# Altium PCB Holberton.PcbDoc (part 5 of 6)
Units mil, origin at the board's own origin, x right, y up, seen from the top; angles counter-clockwise.
Board outline 2963.39 x 3031.46 mil, 6 copper layers (Top Layer, GND, SL1, SL2, PWR, Bottom Layer), stack 30.516 mil thick; 455 components, 409 nets, 1505 pads, 1106 vias.
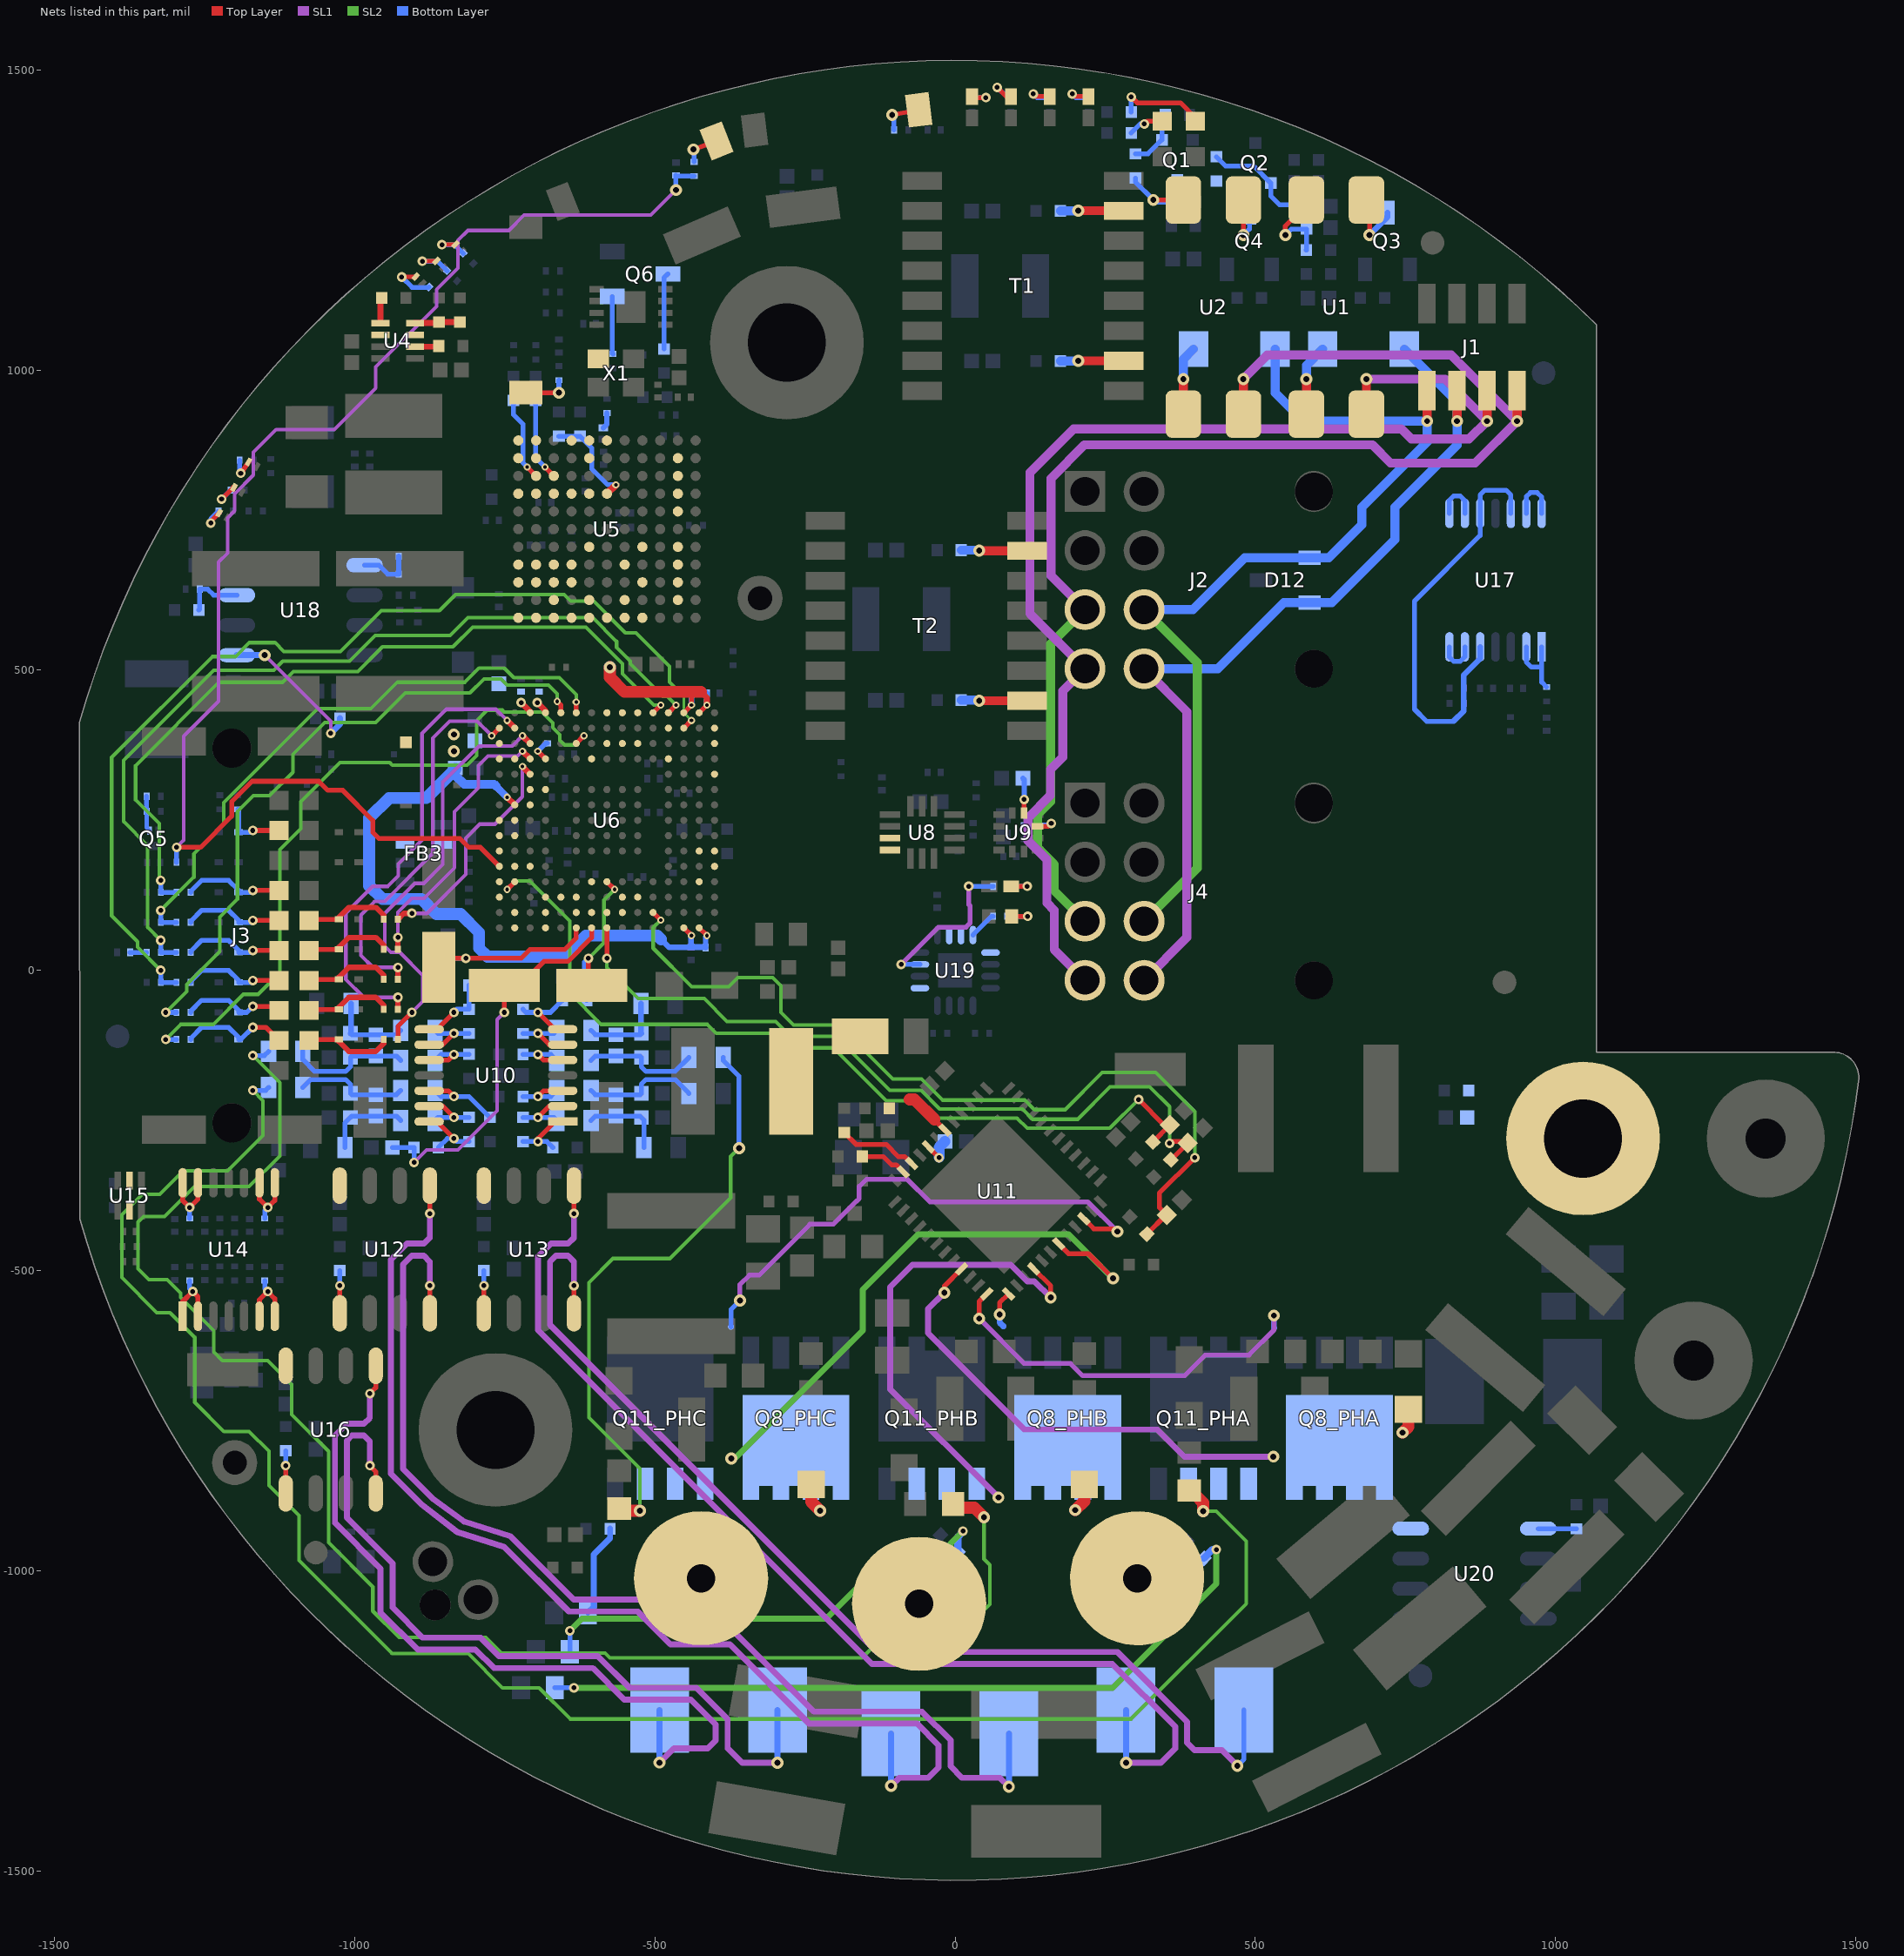
[diagram p9: the nets of this part, all layers, seen from the top]

## Via types
v1: diameter 16, hole 8, Top Layer to Bottom Layer, tented both sides, 470 vias
v2: diameter 20, hole 10, Top Layer to Bottom Layer, tented both sides, 272 vias
v3: diameter 12, hole 6, Top Layer to Bottom Layer, tented both sides, 199 vias
v4: diameter 28, hole 15, Top Layer to Bottom Layer, tented both sides, 159 vias
v5: diameter 24, hole 12, Top Layer to Bottom Layer, tented both sides, 6 vias

## Nets (pads, with @x,y where several pads share a name; then routed paths per layer and width w, separated by ;. In a path a pad name is that pad's centre, name@x,y a point inside that pad or via, vN(x,y) a via of type N, cw(c..) or ccw(c..) an arc to the next point about the centre after c; other vN are vias at no path point) (continued)
NetC103_1: C103.1 U9.5 | length 58.7
  Top Layer w8: U9.5@114.85,262.14 v1(114.84,284.7)
  Bottom Layer w9: C103.1@112.71,320 114.84,317.87 v1(114.84,284.7)
NetC131_1: C131.1 R109.1 | length 27.6
  Bottom Layer w8: C131.1@-1374.37,30 R109.1@-1346.81,30
NetC134_1: C134.1 C136.2 R114.2 R120.1 | length 138.1
  Bottom Layer w8: R120.1@-606.46,-100 -599.18,-107.28 C136.2@-565,-107.28 -524.99,-107.28 C134.1@-522.71,-105
  Bottom Layer w9.24: R114.2@-523.55,-55 -523.55,-104.16 C134.1@-522.71,-105
NetC135_1: C135.1 C137.2 R115.2 R121.1 | length 138.1
  Bottom Layer w8: C135.1@-1007.29,-105 -1005.01,-107.28 C137.2@-965,-107.28 -930.82,-107.28 R121.1@-923.54,-100
  Bottom Layer w9.24: C135.1@-1007.29,-105 -1006.45,-104.16 R115.2@-1006.45,-55
NetC136_1: C136.1 C138.2 R126.2 R129.1 | length 195.3
  Bottom Layer w8: R129.1@-606.46,-150 -599.17,-142.71 C136.1@-565,-142.71 -525.01,-142.71 C138.2@-522.72,-145 -522.72,-160.4 -514.72,-168.4 -466.95,-168.4 R126.2@-443.55,-145
NetC137_1: C137.1 C139.2 R125.2 R130.1 | length 207.4
  Bottom Layer w8: R125.2@-1086.45,-135 -1086.45,-148.55 -1066.6,-168.4 -1015.28,-168.4 -1007.28,-160.4 C139.2@-1007.28,-145 -1004.99,-142.71 C137.1@-965,-142.71 -930.83,-142.71 R130.1@-923.54,-150
NetC141_2: C141.2 C143.1 R132.1 R134.2 | length 194.9
  Bottom Layer w8: R132.1@-606.46,-200 -599.17,-207.29 C143.1@-565,-207.29 -525.01,-207.29 C141.2@-522.72,-205 -522.72,-189.9 -514.72,-181.9 -466.65,-181.9 R134.2@-443.55,-205
NetC142_2: C142.2 C144.1 R131.2 R133.1 | length 190.7
  Bottom Layer w8: R131.2@-1086.45,-195 -1073.35,-181.9 -1015.28,-181.9 -1007.28,-189.9 C142.2@-1007.28,-205 -1004.99,-207.29 C144.1@-965,-207.29 -930.83,-207.29 R133.1@-923.54,-200
NetC143_2: C143.2 C147.1 R137.1 R142.2 | length 139.4
  Bottom Layer w8: R137.1@-606.46,-250 -599.18,-242.72 C143.2@-565,-242.72 -524.99,-242.72 C147.1@-522.71,-245 -518.55,-249.16 R142.2@-518.55,-295
NetC144_2: C144.2 C148.1 R138.1 R143.2 | length 141.5
  Bottom Layer w8: R143.2@-1016.45,-295 -1016.45,-254.16 C148.1@-1007.29,-245 -1005.01,-242.72 C144.2@-965,-242.72 -930.82,-242.72 R138.1@-923.54,-250
NetC146_1: C146.1 M3.1 R135.2
NetD1_2: D1.2 R36.1 | length 59.9
  Top Layer w8: v1(315,1410) 319.53,1414.53 D1.2@345,1414.53
  Bottom Layer w8: R36.1@293.17,1395 308.17,1410 v1(315,1410)
NetD2_2: D2.2 R33.1 | length 151.8
  Top Layer w8: v1(293.17,1455) 303.17,1445 375,1445 400,1420 D2.2@400,1414.53
  Bottom Layer w8: R33.1@293.17,1430 v1(293.17,1455)
NetD5_K: D5.K J3.12 R6.1 | length 147.7
  Top Layer w8: J3.12@-1076.11,83.08 -1074.19,85 D5.K@-1026.53,85
  Top Layer w8.84: D5.K@-1026.53,85 -1026.53,88.47 -1010,105 -965,105 -951.81,91.81 R6.1@-951.81,85
NetD6_K: D6.K J3.10 R7.1 | length 147.7
  Top Layer w8: J3.10@-1076.11,33.08 -1074.19,35 D6.K@-1026.53,35
  Top Layer w8.84: D6.K@-1026.53,35 -1026.53,38.47 -1010,55 -965,55 -951.81,41.81 R7.1@-951.81,35
NetD7_K: D7.K J3.8 R9.1 | length 147.7
  Top Layer w8: J3.8@-1076.11,-16.92 -1074.19,-15 D7.K@-1026.53,-15
  Top Layer w8.84: D7.K@-1026.53,-15 -1026.53,-11.53 -1010,5 -965,5 -951.81,-8.19 R9.1@-951.81,-15
NetD8_K: D8.K J3.6 R10.1 | length 147.7
  Top Layer w8: J3.6@-1076.11,-66.92 -1074.19,-65 D8.K@-1026.53,-65
  Top Layer w8.84: D8.K@-1026.53,-65 -1026.53,-61.53 -1010,-45 -965,-45 -951.81,-58.19 R10.1@-951.81,-65
NetD10_K: D10.K J3.4 R11.1 | length 147.7
  Top Layer w8: J3.4@-1076.11,-116.92 -1074.19,-115 D10.K@-1026.53,-115
  Top Layer w8.84: D10.K@-1026.53,-115 -1026.53,-118.47 -1010,-135 -965,-135 -951.81,-121.81 R11.1@-951.81,-115
NetD16_K: D16.K J3.17 R93.2 | length 107.5
  Top Layer w8: v1(-1170,233.08) J3.17@-1126.11,233.08
  Bottom Layer w8: R93.2@-1195,268.19 -1193.47,266.66 D16.K@-1193.47,230 -1173.08,230 v1(-1170,233.08)
NetD18_K: D18.K J3.13 R102.2 | length 168
  Top Layer w8: v1(-1170,133.08) J3.13@-1126.11,133.08
  Bottom Layer w8: R102.2@-1273.19,130 -1273.19,131.81 -1255,150 -1210,150 -1193.47,133.47 D18.K@-1193.47,130 -1173.08,130 v1(-1170,133.08)
NetD19_K: D19.K J3.11 R105.2 | length 168
  Top Layer w8: v1(-1170,83.08) J3.11@-1126.11,83.08
  Bottom Layer w8: R105.2@-1273.19,80 -1273.19,81.81 -1255,100 -1210,100 -1193.47,83.47 D19.K@-1193.47,80 -1173.08,80 v1(-1170,83.08)
NetD20_K: D20.K J3.9 R108.2 | length 168
  Top Layer w8: v1(-1170,33.08) J3.9@-1126.11,33.08
  Bottom Layer w8: R108.2@-1273.19,30 -1273.19,31.81 -1255,50 -1210,50 -1193.47,33.47 D20.K@-1193.47,30 -1173.08,30 v1(-1170,33.08)
NetD21_K: D21.K J3.7 R110.2 | length 168
  Top Layer w8: v1(-1170,-16.92) J3.7@-1126.11,-16.92
  Bottom Layer w8: R110.2@-1273.19,-20 -1273.19,-18.19 -1255,0 -1210,0 -1193.47,-16.53 D21.K@-1193.47,-20 -1173.08,-20 v1(-1170,-16.92)
NetD22_K: D22.K J3.5 R119.2 | length 173.8
  Top Layer w8: v1(-1170,-60) -1133.03,-60 J3.5@-1126.11,-66.92
  Bottom Layer w8: R119.2@-1273.19,-70 -1273.19,-68.19 -1255,-50 -1210,-50 -1193.47,-66.53 D22.K@-1193.47,-70 -1180,-70 v1(-1170,-60)
NetD23_K: D23.K J3.3 R124.2 | length 184.1
  Top Layer w8: v1(-1170,-95) -1148.03,-95 J3.3@-1126.11,-116.92
  Bottom Layer w8: R124.2@-1273.19,-115 -1273.19,-113.19 -1255,-95 -1210,-95 -1193.47,-111.53 D23.K@-1193.47,-115 -1190,-115 v1(-1170,-95)
NetFB2_1: FB2.1 R65.2 | length 26.7
  Bottom Layer w8.84: FB2.1@-585.91,903.92 -580,909.82 R65.2@-580,928.19
NetFB3_2: FB3.2
NetFB3_6: FB3.6
NetFB6_1: FB6.1 RT1.1 | length 155.3
  Bottom Layer w10: FB6.1@-611.85,-1070 -602,-1060.15 -602,-973 -574.83,-945.83 RT1.1@-574.83,-930
NetFB7_1: FB7.1 RT3.1 | length 799.3
  SL2 w10: v1(-641.85,-1100) -621.85,-1080 -215,-1080 -115,-980 -30,-980 -7.3,-957.3 -7.3,-954.3 v1(13,-934)
  Bottom Layer w8: FB7.1@-641.85,-1135 v1(-641.85,-1100)
  Bottom Layer w12: RT3.1@4.27,-969.27 4.61,-968.92 4.61,-943.47 13,-935.08 v1(13,-934)
NetFB8_1: FB8.1 RT2.1 | length 1257.2
  SL2 w10: v1(-635,-1195) 262,-1195 435,-1022 v1(435,-965)
  Bottom Layer w8: FB8.1@-666.85,-1195 v1(-635,-1195)
  Bottom Layer w12: RT2.1@414.27,-979.27 428.52,-965 v1(435,-965)
NetLED1_K: LED1.K R32.2 | length 46.8
  Top Layer w8: LED1.K@28.03,1455.72 29.94,1453.81 v1(51,1453.81)
  Bottom Layer w8: R32.2@28,1453.81 v1(51,1453.81)
NetLED2_K: LED2.K R31.2 | length 58.8
  Top Layer w8: v1(70,1471) 85.28,1455.72 LED2.K@92.71,1455.72
  Bottom Layer w8: v1(70,1471) 87.19,1453.81 R31.2@92.68,1453.81
NetLED3_K: LED3.K R30.2 | length 59.1
  Top Layer w8: v1(130,1460) 134.28,1455.72 LED3.K@157.39,1455.72
  Bottom Layer w8: v1(130,1460) 136.19,1453.81 R30.2@157.36,1453.81
NetLED4_K: LED4.K R29.2 | length 58.4
  Top Layer w8: v1(195,1460) 199.28,1455.72 LED4.K@222.07,1455.72
  Bottom Layer w8: v1(195,1460) 201.19,1453.81 R29.2@222.04,1453.81
NetLED5_K: LED5.K R48.1 | length 64.3
  Top Layer w8: v1@-854.98,1208.72 LED5.K@-832.27,1209.27
  Bottom Layer w8: v1(-855,1208.7) -833.7,1208.7 R48.1@-819.35,1194.35
NetLED6_K: LED6.K R49.1 | length 71.1
  Top Layer w8: v1(-887.35,1181.35) LED6.K@-863.91,1181.91
  Bottom Layer w8: v1(-887.35,1181.35) -862.35,1181.35 R49.1@-846.35,1165.35
NetLED7_K: LED7.K R52.1 | length 76.5
  Top Layer w8: v1(-921.92,1154.92) LED7.K@-898.49,1155.49
  Bottom Layer w8: v1(-921.92,1154.92) -904.65,1137.65 -877.05,1137.65 R52.1@-876.35,1138.35
NetLED8_K: LED8.K R68.2 | length 45.8
  Top Layer w8: v1(-1190,828) LED8.K@-1176.82,846.93
  Bottom Layer w8: R68.2@-1191.81,850 -1191.81,829.81 v1(-1190,828)
NetLED9_K: LED9.K R70.1 | length 49.9
  Top Layer w8: v1(-1221.91,784.9) -1202.43,804.38 LED9.K@-1201.38,804.38
  Bottom Layer w8: v1(-1221.91,784.9) R70.1@-1206.81,800
NetLED10_K: LED10.K R72.1 | length 48.1
  Top Layer w8: v1(-1240,745) -1240,747.78 LED10.K@-1225.95,761.83
  Bottom Layer w8: v1(-1240,745) -1240,751.81 R72.1@-1226.81,765
NetLED11_A: LED11.A R101.2 | length 60
  Top Layer w8: LED11.A@93.21,140 v1(120,140)
  Bottom Layer w8: R101.2@86.81,140 v1(120,140)
NetLED12_A: LED12.A R104.2 | length 60.8
  Top Layer w8: LED12.A@94,90 v1(120.79,90)
  Bottom Layer w8: R104.2@86.81,90 v1(120.79,90)
NetQ1_D: Q1.D Q2.S R38.2
NetQ1_G: Q1.G R34.1 R37.2 | length 97.8
  Bottom Layer w8: R37.2@300,1360.18 321.13,1360.18 Q1.G@344.41,1383.46 344.41,1419.58 R34.1@349.83,1425
NetQ2_G: Q2.G R38.1 R44.2 | length 195.8
  Bottom Layer w8: R38.1@435,1355.17 450.17,1340 497.13,1340 Q2.G@525.59,1311.54 525.59,1290 540.41,1275.18 R44.2@585,1275.18
NetQ3_3: Q3.3 U1.3 | length 110.1
  Top Layer w8: U1.3@684.99,1283.35 690,1278.34 v2(690,1225)
  Bottom Layer w10: v2(690,1225) 720,1255 Q3.3@720,1262.25
NetQ4_3: Q4.3 U2.3 | length 99.7
  Top Layer w8: v2(479.99,1225) U2.3@479.99,1283.35
  Bottom Layer w8: v2(479.99,1225) 490,1235.01 Q4.3@490,1262.25
NetQ5_1: Q5.1 R94.2 R95.2 | length 59.2
  Bottom Layer w7: R95.2@-1346.81,265 -1346.81,237.71 Q5.1@-1341.89,232.79
  Bottom Layer w8: R95.2@-1346.81,265 R94.2@-1346.81,290
NetQ6_1: Q6.1 R27.1 | length 96.3
  Bottom Layer w8: Q6.1@-571.26,1122.6 -571.26,1028.07 R27.1@-570,1026.81
NetQ6_3: Q6.3 R25.2 | length 127.4
  Bottom Layer w8: R25.2@-485,1035.18 -485,1153.74 Q6.3@-478.74,1160
NetR1_2: R1.2 U4.1 | length 42.5
  Top Layer w10: U4.1@-957.28,1078.37 -957.28,1117.89 R1.2@-955.18,1119.99
NetR2_2: R2.2 R3.1 U4.8 | length 75.3
  Top Layer w10: U4.8@-899.72,1078.37 -861.45,1078.38 R2.2@-860,1079.82 R3.1@-825.01,1079.82
NetR4_1: R4.1 U4.6 | length 40
  Top Layer w10: U4.6@-899.72,1039 -861.18,1038.99 R4.1@-860.18,1040
NetR35_2: R35.2 SW1.1 | length 71.4
  Top Layer w8: v2(-105,1425) SW1.1@-60.72,1433.45
  Bottom Layer w8: v2(-105,1425) -101.81,1421.81 R35.2@-101.81,1400
NetR37_1: R37.1 R43.2 U2.4 | length 130.1
  Top Layer w8: v2(330,1283.35) U2.4@380,1283.35
  Bottom Layer w8: R37.1@300,1319.83 300,1313.35 v2(330,1283.35) 333.34,1280 R43.2@359.82,1280
NetR40_2: R40.2 SW2.1 | length 62.1
  Top Layer w8: v2(-435.8,1367.44) SW2.1@-397.23,1381.68
  Bottom Layer w8: v2(-435.8,1367.44) -435,1366.64 R40.2@-435,1346.81
NetR44_1: R44.1 R47.2 U1.4 | length 147.1
  Top Layer w8: v2(550,1224.83) 550,1240 584.99,1274.99 U1.4@585,1283.35
  Bottom Layer w8: v2(550,1224.83) 560,1234.83 R44.1@585,1234.83 585,1200.18 R47.2@584.82,1200
NetR45_2: R45.2 T1.15 | length 105.7
  Top Layer w15: v2(205,1265.4) T1.15@280.7,1265.4
  Bottom Layer w15: R45.2@175.18,1264.99 204.59,1264.99 v2(205,1265.4)
NetR57_2: R57.2 U1.1 | length 119.6
  Top Layer w15: U1.1@585,926.66 v2(584.99,985)
  Bottom Layer w15: v2(584.99,985) 584.99,1007.91 R57.2@612.08,1035
NetR58_1: R58.1 U2.1 | length 115.4
  Top Layer w15: U2.1@379.99,926.66 v2(379.99,985)
  Bottom Layer w15: v2(379.99,985) 379.99,1017.9 R58.1@397.09,1035
NetR61_2: R61.2 T1.10 | length 105.7
  Top Layer w15: v2(205,1015.4) T1.10@280.7,1015.4
  Bottom Layer w15: R61.2@175.18,1014.99 204.59,1014.99 v2(205,1015.4)
NetR62_2: R62.2 SW3.1 | length 76
  Top Layer w8: SW3.1@-715,962.2 v2(-660,962.2)
  Bottom Layer w8: v2(-660,962.2) R62.2@-660.01,983.19
NetR63_1: R63.1 U5.J9 | length 138.2
  Top Layer w8: v3(-683.35,838.34) U5.J9@-668.58,823.58
  Bottom Layer w8: R63.1@-698.5,949.34 -698.5,853.5 v3(-683.35,838.34)
NetR64_1: R64.1 U5.J10 | length 141.3
  Top Layer w8: v3(-712.88,838.34) U5.J10@-698.11,823.58
  Bottom Layer w8: R64.1@-735.55,949.34 -735.55,925.55 -720,910 -720,845.47 v3(-712.88,838.34)
NetR74_2: R74.2 T2.15 | length 109.7
  Top Layer w15: v2(40,699.12) T2.15@119.54,699.12
  Bottom Layer w15: R74.2@10.18,699.99 39.12,699.99 v2(40,699.12)
NetR75_1: R75.1 R76.2 U18.5 | length 93.1
  Bottom Layer w8: U18.5@-983.7,675 -960.01,675 -945,660 -926.81,660 R75.1@-926.82,690
NetR77_2: R77.2 R79.1 U18.3 | length 101.7
  Bottom Layer w8: R79.1@-1259.82,600 -1258.19,601.64 R77.2@-1258.19,634.99 -1245,634.99 -1235.01,625 U18.3@-1196.3,625
NetR81_1: R81.1 U17.1 U17.2 | length 124.6
  Bottom Layer w8: U17.2@951.18,538.78 951.18,513.82 960,505 976.77,505 ; U17.1@976.77,538.78 976.77,505 ; R81.1@985,471.81 976.77,480.04 976.77,505
NetR82_2: R82.2 R85.1 U17.5 U17.10 U17.12 | length 706.4
  Bottom Layer w8: 830,415 785,415 765,435 765,615 874.41,724.41 U17.10@874.41,761.22 874.41,792 882.41,800 917.59,800 925.59,792 U17.12@925.59,761.22
  Bottom Layer w9.24: 830,415 846.81,431.81 R85.1@846.81,445 R82.2@846.81,470 846.81,491.81 874.41,519.41 U17.5@874.41,538.78
NetR84_2: R84.2 T2.10 | length 109.7
  Top Layer w15: v2(40,449.12) T2.10@119.54,449.12
  Bottom Layer w15: R84.2@10.18,449.99 39.12,449.99 v2(40,449.12)
NetR86_1: R86.1 U18.1 | length 253.2
  SL1 w6: v2(-1150,525) -1040,415 v1(-1040,395)
  Bottom Layer w10: U18.1@-1196.3,525 v2(-1150,525) ; v1(-1040,395) -1024.82,410.18 R86.1@-1024.82,420
NetR96_1: R96.1 U9.3 | length 71.3
  Top Layer w8: U9.3@137.14,239.84 154.85,239.85 v1(160,245)
  Bottom Layer w8: R96.1@115,241.81 156.81,241.81 v1(160,245)
NetR101_1: R101.1 U19.11 | length 277.5
  SL1 w8: v1(-90,9.85) -27.85,72 18,72 25,79 25,107.27 22.61,109.65 v1(22.61,140.08)
  Bottom Layer w8: v1(-90,9.85) U19.11@-58.81,9.84 ; v1(22.61,140.08) 22.65,140.04 63.15,140.04 R101.1@63.19,140
NetR104_1: R104.1 U19.16 | length 46.6
  Bottom Layer w8: U19.16@29.52,58.81 60.71,90 R104.1@63.19,90
NetR112_1: R112.1 R118.1 U10.8 | length 120
  Top Layer w8: U10.8@-876.22,-98.23 -863.23,-98.23 v1(-835,-70)
  Bottom Layer w8: v1(-835,-70) -829.83,-64.83 R118.1@-810,-64.83 -810,-25.17 R112.1@-809.83,-25
NetR116_1: R116.1 R117.1 U10.7 | length 129.2
  Top Layer w8: v1(-695,-70) -666.77,-98.23 U10.7@-653.78,-98.23
  Bottom Layer w8: R117.1@-720,-64.83 -714.83,-70 v1(-695,-70) -674.17,-70 R116.1@-654.17,-50
NetR117_2: R117.2 R120.2 U10.6 | length 107.6
  Top Layer w8: v1(-695,-105) -676.18,-123.82 U10.6@-653.78,-123.82
  Bottom Layer w8: R117.2@-720,-105.18 -695.18,-105.18 v1(-695,-105) -668.55,-105 R120.2@-663.55,-100
NetR118_2: R118.2 R121.2 U10.9 | length 107.6
  Top Layer w8: U10.9@-876.22,-123.82 -853.82,-123.82 v1(-835,-105)
  Bottom Layer w8: R121.2@-866.45,-100 -861.45,-105 v1(-835,-105) -834.82,-105.18 R118.2@-810,-105.18
NetR127_2: R127.2 R129.2 U10.5 | length 105.5
  Top Layer w8: v1(-695,-140) -685.59,-149.41 U10.5@-653.78,-149.41
  Bottom Layer w8: R127.2@-719.82,-140 v1(-695,-140) -673.55,-140 R129.2@-663.55,-150
NetR128_2: R128.2 R130.2 U10.10 | length 105.8
  Top Layer w8: U10.10@-876.22,-149.41 -844.41,-149.41 v1(-835,-140)
  Bottom Layer w8: R130.2@-866.45,-150 -856.45,-140 v1(-835,-140) -810.18,-140 R128.2@-810,-139.82
NetR132_2: R132.2 R136.2 U10.3 | length 105.5
  Top Layer w8: v1(-695,-210) -685.59,-200.59 U10.3@-653.78,-200.59
  Bottom Layer w8: R136.2@-719.82,-210 v1(-695,-210) -673.55,-210 R132.2@-663.55,-200
NetR133_2: R133.2 R140.2 U10.12 | length 155.1
  Top Layer w8: U10.12@-876.22,-200.59 -844.41,-200.59 v1(-835,-210)
  Bottom Layer w8: R133.2@-866.45,-200 -856.45,-210 v1(-835,-210) -809.82,-210 R140.2@-775,-244.82
NetR137_2: R137.2 R139.2 U10.2 | length 107.6
  Top Layer w8: v1(-695,-245) -676.18,-226.18 U10.2@-653.78,-226.18
  Bottom Layer w8: R139.2@-720,-244.82 -695.18,-244.82 v1(-695,-245) -668.55,-245 R137.2@-663.55,-250
NetR138_2: R138.2 R141.2 U10.13 | length 107.6
  Top Layer w8: U10.13@-876.22,-226.18 -853.82,-226.18 v1(-835,-245)
  Bottom Layer w8: R138.2@-866.45,-250 -861.45,-245 v1(-835,-245) -834.82,-244.82 R141.2@-810,-244.82
NetR139_1: R139.1 R144.1 U10.1 | length 112
  Top Layer w8: v1(-695,-285) -695,-280 -666.77,-251.77 U10.1@-653.78,-251.77
  Bottom Layer w8: R139.1@-720,-285.17 -700.17,-285.17 -700,-285 v1(-695,-285) -680.17,-285 R144.1@-670.17,-295
NetR141_1: R141.1 R145.1 U10.14 | length 112.1
  Top Layer w8: U10.14@-876.22,-251.77 -863.23,-251.77 v1(-835,-280)
  Bottom Layer w8: R145.1@-860.83,-295 -845.83,-280 v1(-835,-280) -829.83,-285.17 R141.1@-810,-285.17
NetR147_1: R147.1 U14.8 U14.9 | length 113.3
  Top Layer w8: U14.9@-1158.82,-353.78 -1158.82,-381.18 v1(-1145,-395) -1133.23,-383.23 U14.8@-1133.23,-353.78
  Bottom Layer w8: R147.1@-1150,-413.19 -1150,-400 v1(-1145,-395)
NetR150_1: R150.1 U14.13 U14.14 | length 111.2
  Top Layer w8: U14.14@-1286.77,-353.78 -1286.77,-383.23 v1(-1275,-395) -1261.18,-381.18 U14.13@-1261.18,-353.78
  Bottom Layer w8: R150.1@-1275,-413.19 v1(-1275,-395)
NetR151_1: R151.1 U13.5 | length 71.1
  Top Layer w8: U13.5@-785,-571.3 v1(-785,-525)
  Bottom Layer w8: v1(-785,-525) R151.1@-785,-500.17
NetR152_1: R152.1 U12.5 | length 71.1
  Top Layer w8: U12.5@-1025,-571.3 v1(-1025,-525)
  Bottom Layer w8: v1(-1025,-525) R152.1@-1025,-500.17
NetR153_1: R153.1 U14.6 U14.7 | length 113.3
  Top Layer w8: U14.6@-1158.82,-576.22 -1158.82,-548.82 v1(-1145,-535) -1133.23,-546.77 U14.7@-1133.23,-576.22
  Bottom Layer w8: R153.1@-1150,-516.81 -1150,-530 v1(-1145,-535)
NetR155_1: R155.1 U14.1 U14.2 | length 113.3
  Top Layer w8: U14.1@-1286.77,-576.22 -1286.77,-551.77 v1(-1270,-535) -1261.18,-543.82 U14.2@-1261.18,-576.22
  Bottom Layer w8: R155.1@-1275,-516.81 -1275,-530 v1(-1270,-535)
NetR158_1: R158.1 U16.5 | length 71.1
  Top Layer w8: U16.5@-1115,-871.3 v1(-1115,-825)
  Bottom Layer w8: v1(-1115,-825) R158.1@-1115,-800.17
NetR159_1: R159.1 U20.5 | length 63.8
  Bottom Layer w8: U20.5@971.3,-930 971.48,-930.18 R159.1@1035,-930.18
NetU4_2: U4.2
NetU4_7: U4.7
NetU5_A4: U5.A4
NetU5_A5: U5.A5
NetU5_A6: U5.A6
NetU5_A7: U5.A7
NetU5_A8: U5.A8
NetU5_A9: U5.A9